# Altium PCB micro-ltc-pvt1f.PcbDoc (part 3 of 4)
Units mm, origin at the board's own origin, x right, y up, seen from the top; angles counter-clockwise.
Board outline 75.2 x 35.65 mm, 4 copper layers (Top, L2, L3, Bottom), stack 0.692 mm thick; 80 components, 47 nets, 716 pads, 100 vias.
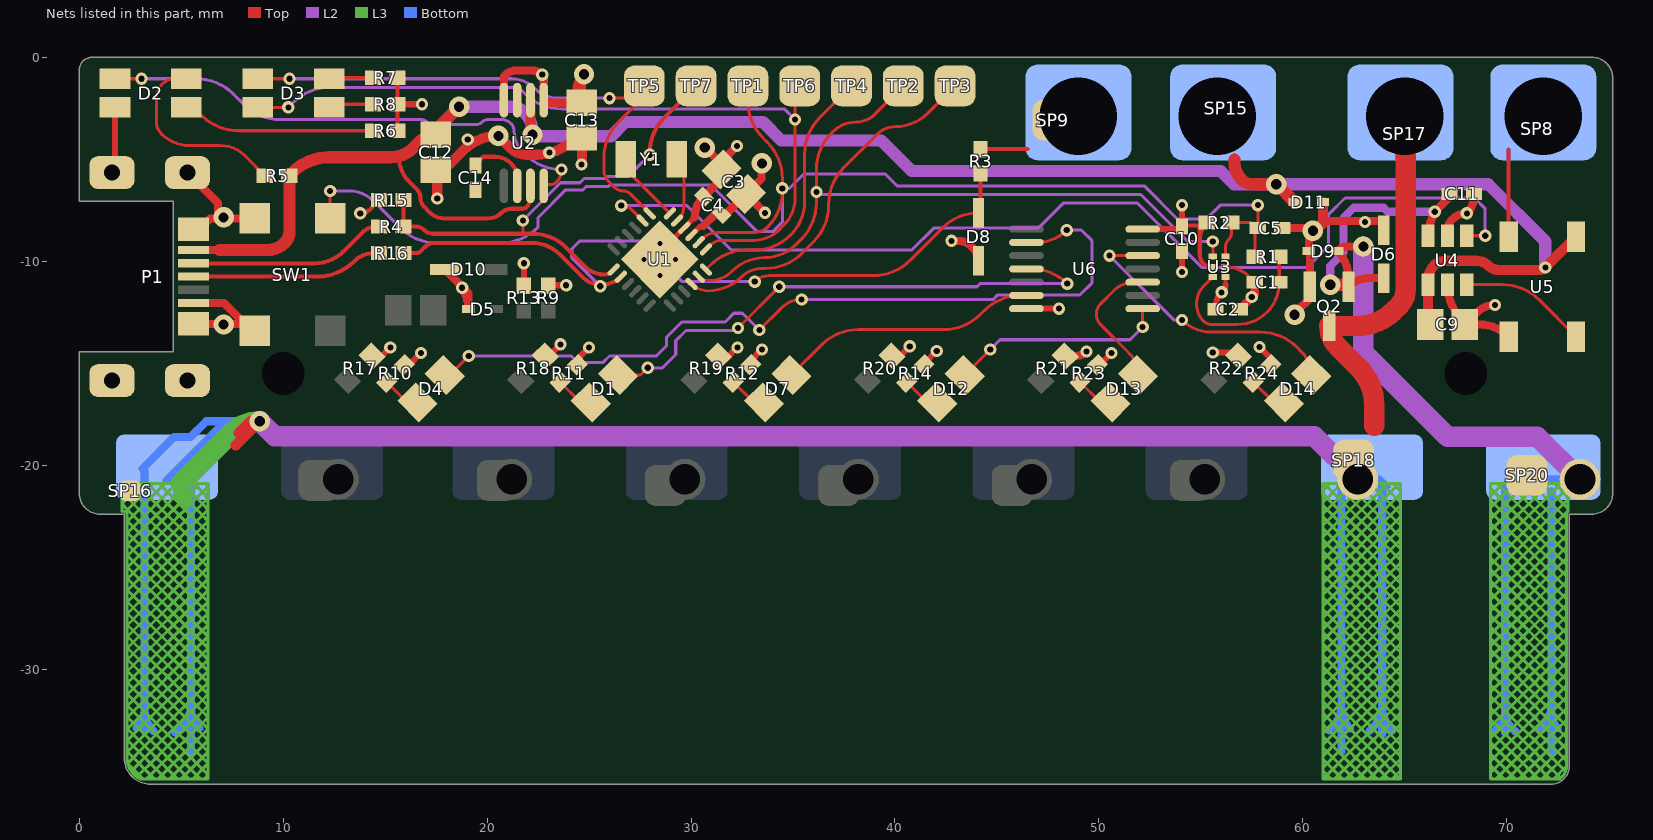
[diagram p5: the nets of this part, all layers, seen from the top]

## Via types
v1: diameter 0.6, hole 0.3, Top to Bottom, tented both sides, 82 vias
v2: diameter 1, hole 0.5, Top to Bottom, tented both sides, 14 vias
v3: diameter 0.5, hole 0.25, Top to Bottom, 4 vias

## Nets (pads, with @x,y where several pads share a name; then routed paths per layer and width w, separated by ;. In a path a pad name is that pad's centre, name@x,y a point inside that pad or via, vN(x,y) a via of type N, cw(c..) or ccw(c..) an arc to the next point about the centre after c; other vN are vias at no path point) (continued)
EXTGND: pad.0@4.3,-20.1 pad.0@62.7,-20.7 pad.0@63.4,-20.1 pad.0@64.8,-2.7 pad.0@65,-2.9 Q2.3 SP16.1 SP17.1 SP18.1 | length 803.3
  Top w0.5: 7.675,-19.025 v2(8.85,-17.85) 8.388,-17.85 7.798,-18.44
  Top w1: 63.5,-18.075 63.5,-17.027 ccw(c60.96,-17.027) 62.756,-15.231 61.742,-14.217 cw(c62.809,-13.15) Q2.3@61.3,-13.15 ccw(c61.36,-13.09) 61.36,-13.175 62.673,-13.175 ccw(c62.673,-10.635) 64.469,-12.431 64.725,-12.175 ccw(c63.939,-11.39) 65.05,-11.39 SP17.1@65.05,-3.8
  L2 w1: v2(8.85,-17.85) 9.575,-18.575 60.575,-18.575 pad.0@62.7,-20.7
  L3 w0.15: 2.1,-22.265 2.1,-20.9 ; 2.1,-21.923 2.359,-22.182 6.036,-25.859 6.3,-26.123 ; 2.1,-21.875 3.075,-20.9 ; 2.1,-21.357 2.359,-21.616 6.036,-25.293 6.3,-25.557 ; 2.1,-21.309 2.509,-20.9 ; 2.2,-20.9 2.209,-20.9 ; 2.261,-22.28 3.641,-20.9 ; 2.335,-34.085 2.925,-33.495 ; 2.335,-34.037 3.698,-35.4 ; 2.335,-33.519 2.642,-33.213 ; 2.335,-33.471 4.264,-35.4 ; 2.335,-32.954 2.359,-32.93 ; 2.335,-32.906 2.359,-32.93 ; 2.335,-32.388 2.359,-32.364 ; 2.335,-32.34 2.359,-32.364 ; 2.335,-31.822 2.359,-31.798 ; 2.335,-31.257 6.3,-27.292 ; 2.335,-31.209 2.359,-31.233 2.642,-31.515 ; 2.335,-30.691 6.3,-26.726 ; 2.335,-30.643 2.359,-30.667 3.207,-31.515 ; 2.335,-30.125 6.3,-26.16 ; 2.335,-30.077 2.359,-30.101 3.773,-31.515 ; 2.335,-29.559 6.3,-25.594 ; 2.335,-29.512 2.359,-29.536 3.49,-30.667 ; 2.335,-28.994 6.3,-25.029 ; 2.335,-28.946 2.359,-28.97 3.773,-30.384 ; 2.335,-28.428 6.3,-24.463 ; 2.335,-28.38 2.359,-28.404 4.056,-30.101 ; 2.335,-27.862 6.3,-23.897 ; 2.335,-27.815 2.359,-27.839 6.036,-31.515 ; 2.335,-27.297 6.3,-23.332 ; 2.335,-27.249 6.3,-31.214 ; 2.335,-26.731 6.3,-22.766 ; 2.335,-26.683 6.3,-30.648 ; 2.335,-26.165 6.3,-22.2 ; 2.335,-26.118 6.3,-30.083 ; 2.335,-25.6 6.3,-21.635 ; 2.335,-25.552 6.3,-29.517 ; 2.335,-25.034 4.339,-23.03 ; 2.335,-24.986 6.3,-28.951 ; 2.335,-24.468 5.002,-21.802 ; 2.335,-24.421 6.3,-28.386 ; 2.335,-23.903 3.773,-22.465 ; 2.335,-23.855 6.3,-27.82 ; 2.335,-23.337 3.49,-22.182 ; 2.335,-23.289 6.3,-27.254 ; 2.335,-22.771 4.206,-20.9 ; 2.335,-22.723 6.3,-26.688 ; 2.367,-34.619 3.207,-33.778 ; 2.371,-34.639 3.132,-35.4 ; 2.541,-35.011 3.49,-34.061 ; 2.821,-35.296 3.773,-34.344 ; 3.283,-35.4 4.056,-34.627 ; 3.848,-35.4 4.339,-34.91 ; 4.414,-35.4 6.3,-33.514 ; 4.829,-35.4 4.339,-34.91 ; 4.98,-35.4 6.3,-34.08 ; 5.146,-21.657 5.187,-21.616 ; 5.146,-21.575 5.016,-21.445 ; 5.395,-35.4 4.622,-34.627 ; 5.545,-35.4 6.3,-34.645 ; 6.111,-35.4 6.3,-35.211 ; 61,-35.382 62.321,-34.061 ; 61,-35.002 61.398,-35.4 ; 61,-34.817 62.039,-33.778 ; 61,-34.437 61.963,-35.4 ; 61,-34.251 61.756,-33.495 ; 61,-33.871 62.529,-35.4 ; 61,-33.685 61.473,-33.213 ; 61,-33.305 63.095,-35.4 ; 61,-33.12 61.19,-32.93 ; 61,-32.74 61.19,-32.93 ; 61,-32.554 61.19,-32.364 ; 61,-32.174 61.19,-32.364 ; 61,-31.988 61.19,-31.798 ; 61,-31.423 64.8,-27.623 ; 61,-31.043 61.473,-31.515 ; 61,-30.857 64.8,-27.057 ; 61,-30.477 61.756,-31.233 ; 61,-30.291 64.8,-26.491 ; 61,-29.911 62.039,-30.95 ; 61,-29.726 64.8,-25.926 ; 61,-29.345 62.321,-30.667 ; 61,-29.16 64.8,-25.36 ; 61,-28.78 62.604,-30.384 ; 61,-28.594 64.8,-24.794 ; 61,-28.214 62.887,-30.101 ; 61,-28.029 64.8,-24.229 ; 61,-27.648 64.8,-31.448 ; 61,-27.463 64.8,-23.663 ; 61,-27.083 64.8,-30.883 ; 61,-26.897 64.8,-23.097 ; 61,-26.517 64.8,-30.317 ; 61,-26.332 64.8,-22.532 ; 61,-25.951 64.8,-29.751 ; 61,-25.766 64.8,-21.966 ; 61,-25.386 64.8,-29.186 ; 61,-25.2 64.8,-21.4 ; 61,-24.82 64.8,-28.62 ; 61,-24.635 64.735,-20.9 ; 61,-24.254 64.8,-28.054 ; 61,-24.069 64.169,-20.9 ; 61,-23.689 64.8,-27.489 ; 61,-23.503 pad.0@63.603,-20.9 ; 61,-23.123 64.8,-26.923 ; 61,-22.937 pad.0@63.037,-20.9 ; 61,-22.557 64.8,-26.357 ; 61,-22.372 pad.0@62.472,-20.9 ; 61,-21.992 64.8,-25.792 ; 61,-21.806 pad.0@61.906,-20.9 ; 61,-21.426 64.8,-25.226 ; 61,-21.24 61.34,-20.9 ; 61.04,-20.9 64.8,-24.66 ; 61.548,-35.4 62.604,-34.344 ; 61.605,-20.9 64.8,-24.095 ; 62.114,-35.4 62.887,-34.627 ; pad.0@62.171,-20.9 64.8,-23.529 ; 62.68,-35.4 64.8,-33.28 ; pad.0@62.737,-20.9 64.8,-22.963 ; 63.245,-35.4 64.8,-33.845 ; pad.0@63.302,-20.9 64.8,-22.398 ; 63.66,-35.4 62.887,-34.627 ; 63.811,-35.4 64.8,-34.411 ; 63.868,-20.9 64.8,-21.832 ; 64.226,-35.4 63.17,-34.344 ; 64.377,-35.4 64.8,-34.977 ; 64.434,-20.9 64.8,-21.266 ; 64.8,-34.843 63.736,-33.778 ; 64.8,-34.277 64.018,-33.495 ; 64.8,-33.711 64.301,-33.213 ; 64.8,-33.145 64.584,-32.93 ; 64.8,-32.714 64.584,-32.93 ; 64.8,-32.58 64.584,-32.364 ; 64.8,-32.148 64.584,-32.364 ; 64.8,-32.014 64.584,-31.798 ; 64.8,-31.582 64.584,-31.798 ; 64.8,-31.017 64.301,-31.515 ; 64.8,-30.451 64.018,-31.233 ; 64.8,-29.885 63.736,-30.95 ; 64.8,-29.32 63.453,-30.667 ; 64.8,-28.754 63.17,-30.384 ; 64.8,-28.188 62.887,-30.101 ; 2.209,-20.9 2.359,-21.05 3.49,-22.182 ; 2.209,-20.9 2.509,-20.9 ; 2.295,-22.305 cw(c2.2,-22.4) 2.335,-22.4 ; 2.295,-22.305 cw(c2.2,-22.4) 2.335,-22.4 ; 2.295,-22.305 ccw(c2.2,-22.4) 2.2,-22.265 cw(c2.2,-22.4) 2.295,-22.305 ; 2.335,-22.4 2.335,-34.35 ccw(c3.5,-34.35) 2.995,-35.4 6.3,-35.4 6.3,-35.211 ; 2.359,-32.93 2.642,-33.213 ; 2.359,-32.93 2.642,-32.647 ; 2.359,-32.364 2.642,-32.647 ; 2.359,-32.364 2.642,-32.081 ; 2.359,-31.798 2.642,-32.081 ; 2.359,-31.798 2.642,-31.515 ; 2.359,-31.798 2.642,-32.081 ; 2.359,-31.798 2.335,-31.774 2.359,-31.798 ; 2.509,-20.9 2.774,-20.9 ; 2.642,-33.213 2.925,-32.93 ; 2.642,-33.213 2.925,-33.495 ; 2.642,-32.647 2.925,-32.93 ; 2.642,-32.647 2.925,-32.364 ; 2.642,-32.081 2.925,-31.798 ; 2.642,-32.081 2.925,-32.364 ; 2.642,-32.081 2.925,-32.364 ; 2.642,-31.515 2.925,-31.798 ; 2.642,-31.515 3.49,-30.667 ; 2.774,-20.9 3.075,-20.9 ; 2.774,-20.9 2.925,-21.05 3.773,-21.899 ; 2.925,-33.495 3.207,-33.213 ; 2.925,-33.495 3.207,-33.778 ; 2.925,-32.93 3.207,-32.647 ; 2.925,-32.93 3.207,-33.213 ; 2.925,-32.364 3.207,-32.647 ; 2.925,-32.364 3.207,-32.081 ; 2.925,-32.364 3.207,-32.647 ; 2.925,-31.798 3.207,-31.515 ; 2.925,-31.798 3.207,-32.081 ; 3.075,-20.9 3.34,-20.9 ; 3.207,-33.778 3.49,-33.495 ; 3.207,-33.778 3.49,-34.061 ; 3.207,-33.213 3.49,-33.495 ; 3.207,-33.213 3.49,-32.93 ; 3.207,-32.647 3.49,-32.364 ; 3.207,-32.647 4.056,-33.495 ; 3.207,-32.647 3.49,-32.93 ; 3.207,-32.081 3.49,-31.798 ; 3.207,-32.081 3.49,-32.364 ; 3.207,-31.515 3.49,-31.798 ; 3.207,-31.515 3.773,-30.95 ; 3.34,-20.9 3.641,-20.9 ; 3.34,-20.9 3.49,-21.05 4.056,-21.616 ; 3.49,-34.061 3.773,-34.344 ; 3.49,-34.061 3.773,-33.778 ; 3.49,-33.495 3.773,-33.213 ; 3.49,-33.495 3.773,-33.778 ; 3.49,-32.93 3.773,-32.647 ; 3.49,-32.93 3.773,-33.213 ; 3.49,-32.364 3.773,-32.647 ; 3.49,-32.364 4.056,-31.798 ; 3.49,-31.798 4.622,-32.93 ; 3.49,-31.798 3.773,-31.515 ; 3.49,-30.667 3.773,-30.95 ; 3.49,-30.667 3.773,-30.384 ; 3.49,-22.182 3.773,-21.899 ; 3.49,-22.182 3.773,-22.465 ; 3.641,-20.9 3.906,-20.9 ; 3.773,-34.344 4.056,-34.627 ; 3.773,-34.344 4.056,-34.061 ; 3.773,-33.778 4.056,-34.061 ; 3.773,-33.778 4.056,-33.495 ; 3.773,-33.213 4.056,-32.93 ; 3.773,-33.213 4.056,-33.495 ; 3.773,-32.647 4.056,-32.93 ; 3.773,-32.647 4.339,-32.081 ; 3.773,-31.515 4.056,-31.798 ; 3.773,-31.515 4.056,-31.233 ; 3.773,-30.95 4.056,-31.233 ; 3.773,-30.95 4.056,-30.667 ; 3.773,-30.384 4.056,-30.667 ; 3.773,-30.384 4.056,-30.101 ; 3.773,-22.465 4.056,-22.182 ; 3.773,-22.465 4.339,-23.03 ; 3.773,-21.899 4.056,-21.616 ; 3.773,-21.899 4.056,-22.182 ; 3.906,-20.9 4.206,-20.9 ; 3.906,-20.9 4.056,-21.05 4.339,-21.333 ; 4.056,-34.627 4.339,-34.91 ; 4.056,-34.627 4.339,-34.344 ; 4.056,-34.061 4.339,-34.344 ; 4.056,-34.061 4.339,-33.778 ; 4.056,-33.495 4.339,-33.213 ; 4.056,-33.495 4.339,-33.778 ; 4.056,-33.495 5.753,-35.192 5.961,-35.4 4.904,-34.344 ; 4.056,-32.93 4.339,-33.213 ; 4.056,-32.93 4.622,-32.364 ; 4.056,-31.798 4.339,-32.081 ; 4.056,-31.798 4.339,-31.515 ; 4.056,-31.233 4.339,-31.515 ; 4.056,-31.233 4.339,-30.95 ; 4.056,-30.667 4.339,-30.95 ; 4.056,-30.667 4.339,-30.384 ; 4.056,-30.101 6.3,-27.857 ; 4.056,-30.101 4.339,-30.384 ; 4.056,-22.182 4.339,-21.899 ; 4.056,-22.182 4.622,-22.747 ; 4.056,-21.616 4.339,-21.333 ; 4.056,-21.616 4.339,-21.899 ; 4.206,-20.9 4.471,-20.9 ; 4.339,-34.91 4.622,-34.627 ; 4.339,-34.344 4.622,-34.627 ; 4.339,-34.344 4.622,-34.061 ; 4.339,-33.778 4.622,-33.495 ; 4.339,-33.778 4.622,-34.061 ; 4.339,-33.213 4.622,-33.495 ; 4.339,-33.213 4.622,-32.93 ; 4.339,-32.081 4.622,-32.364 ; 4.339,-32.081 4.622,-31.798 ; 4.339,-31.515 4.622,-31.798 ; 4.339,-31.515 4.622,-31.233 ; 4.339,-30.95 4.622,-31.233 ; 4.339,-30.95 4.622,-30.667 ; 4.339,-30.384 4.622,-30.667 ; 4.339,-30.384 6.3,-28.423 ; 4.339,-23.03 4.622,-22.747 ; 4.339,-23.03 6.036,-24.727 6.3,-24.991 ; 4.339,-21.899 4.622,-21.616 ; 4.339,-21.899 4.904,-22.465 ; 4.339,-21.333 4.622,-21.05 ; 4.339,-21.333 4.622,-21.616 ; 4.471,-20.9 4.772,-20.9 ; 4.471,-20.9 4.622,-21.05 ; 4.622,-34.627 4.904,-34.344 ; 4.622,-34.061 4.904,-33.778 ; 4.622,-34.061 4.904,-34.344 ; 4.622,-33.495 4.904,-33.778 ; 4.622,-33.495 4.904,-33.213 ; 4.622,-32.93 4.904,-33.213 ; 4.622,-32.93 4.904,-32.647 ; 4.622,-32.364 4.904,-32.647 ; 4.622,-32.364 4.904,-32.081 ; 4.622,-31.798 4.904,-32.081 ; 4.622,-31.798 4.904,-31.515 ; 4.622,-31.233 4.904,-31.515 ; 4.622,-31.233 4.904,-30.95 ; 4.622,-30.667 4.904,-30.95 ; 4.622,-30.667 6.3,-28.989 ; 4.622,-22.747 4.904,-22.465 ; 4.622,-22.747 6.036,-24.162 6.3,-24.426 ; 4.622,-21.616 4.904,-21.333 ; 4.622,-21.616 5.187,-22.182 ; 4.622,-21.05 4.772,-20.9 ; 4.622,-21.05 4.904,-21.333 ; 4.772,-20.9 5.002,-20.9 5.037,-20.9 ; 4.904,-34.344 5.187,-34.061 ; 4.904,-33.778 5.187,-33.495 ; 4.904,-33.778 5.187,-34.061 ; 4.904,-33.213 5.187,-33.495 ; 4.904,-33.213 5.187,-32.93 ; 4.904,-32.647 5.187,-32.93 ; 4.904,-32.647 5.187,-32.364 ; 4.904,-32.081 5.187,-32.364 ; 4.904,-32.081 5.187,-31.798 ; 4.904,-31.515 5.187,-31.798 ; 4.904,-31.515 5.187,-31.233 ; 4.904,-30.95 5.187,-31.233 ; 4.904,-30.95 6.3,-29.554 ; 4.904,-22.465 5.187,-22.182 ; 4.904,-22.465 6.036,-23.596 6.3,-23.86 ; 4.904,-21.333 5.002,-21.236 5.187,-21.05 ; 4.904,-21.333 5.002,-21.43 5.016,-21.445 ; 5.016,-21.445 5.187,-21.616 ; 5.037,-20.9 5.338,-20.9 ; 5.037,-20.9 5.187,-21.05 ; 5.187,-34.061 5.47,-33.778 ; 5.187,-34.061 6.036,-34.91 6.3,-35.174 ; 5.187,-33.495 5.47,-33.213 ; 5.187,-33.495 5.47,-33.778 ; 5.187,-32.93 5.47,-33.213 ; 5.187,-32.93 5.47,-32.647 ; 5.187,-32.364 5.47,-32.647 ; 5.187,-32.364 5.47,-32.081 ; 5.187,-31.798 5.47,-32.081 ; 5.187,-31.798 5.47,-31.515 ; 5.187,-31.233 5.47,-31.515 ; 5.187,-31.233 6.3,-30.12 ; 5.187,-22.182 5.753,-21.616 ; 5.187,-22.182 6.036,-23.03 6.3,-23.294 ; 5.187,-21.616 5.47,-21.333 ; 5.187,-21.616 6.036,-22.465 6.3,-22.729 ; 5.187,-21.05 5.338,-20.9 ; 5.187,-21.05 5.47,-21.333 ; 5.338,-20.9 5.603,-20.9 ; 5.47,-33.778 6.036,-34.344 6.3,-34.608 ; 5.47,-33.778 5.753,-33.495 ; 5.47,-33.213 5.753,-32.93 ; 5.47,-33.213 5.753,-33.495 ; 5.47,-32.647 5.753,-32.93 ; 5.47,-32.647 5.753,-32.364 ; 5.47,-32.081 5.753,-32.364 ; 5.47,-32.081 5.753,-31.798 ; 5.47,-31.515 5.753,-31.798 ; 5.47,-31.515 6.3,-30.686 ; 5.47,-21.333 5.903,-20.9 ; 5.47,-21.333 5.753,-21.616 ; 5.603,-20.9 5.753,-21.05 6.036,-21.333 6.3,-21.597 ; 5.603,-20.9 5.903,-20.9 ; 5.753,-33.495 6.036,-33.213 ; 5.753,-33.495 6.036,-33.778 6.3,-34.042 ; 5.753,-32.93 6.036,-32.647 ; 5.753,-32.93 6.036,-33.213 ; 5.753,-32.364 6.036,-32.647 ; 5.753,-32.364 6.036,-32.081 ; 5.753,-31.798 6.036,-31.515 ; 5.753,-31.798 6.036,-32.081 ; 5.753,-21.616 6.3,-21.069 ; 5.753,-21.616 6.036,-21.899 6.3,-22.163 ; 5.903,-20.9 6.168,-20.9 ; 6.036,-33.213 6.3,-32.948 ; 6.036,-33.213 6.3,-33.477 ; 6.036,-32.647 6.3,-32.383 ; 6.036,-32.647 6.3,-32.911 ; 6.036,-32.081 6.3,-31.817 ; 6.036,-32.081 6.3,-32.345 ; 6.036,-31.515 6.3,-31.251 ; 6.036,-31.515 6.3,-31.78 ; 6.168,-20.9 6.3,-20.9 6.3,-21.032 ; 6.168,-20.9 6.3,-21.032 ; 6.3,-35.211 6.3,-35.174 ; 6.3,-35.174 6.3,-34.645 ; 6.3,-34.645 6.3,-34.608 ; 6.3,-34.608 6.3,-34.08 ; 6.3,-34.08 6.3,-34.042 ; 6.3,-34.042 6.3,-33.514 ; 6.3,-33.514 6.3,-33.477 ; 6.3,-33.477 6.3,-32.948 ; 6.3,-32.948 6.3,-32.911 ; 6.3,-32.911 6.3,-32.383 ; 6.3,-32.383 6.3,-32.345 ; 6.3,-32.345 6.3,-31.817 ; 6.3,-31.817 6.3,-31.78 ; 6.3,-31.78 6.3,-31.251 ; 6.3,-31.251 6.3,-31.214 ; 6.3,-31.214 6.3,-30.686 ; 6.3,-30.686 6.3,-30.648 ; 6.3,-30.648 6.3,-30.12 ; 6.3,-30.12 6.3,-30.083 ; 6.3,-30.083 6.3,-29.554 ; 6.3,-29.554 6.3,-29.517 ; 6.3,-29.517 6.3,-28.989 ; 6.3,-28.989 6.3,-28.951 ; 6.3,-28.951 6.3,-28.423 ; 6.3,-28.423 6.3,-28.386 ; 6.3,-28.386 6.3,-27.857 ; 6.3,-27.857 6.3,-27.82 ; 6.3,-27.82 6.3,-27.292 ; 6.3,-27.292 6.3,-27.254 ; 6.3,-27.254 6.3,-26.726 ; 6.3,-26.726 6.3,-26.688 ; 6.3,-26.688 6.3,-26.16 ; 6.3,-26.16 6.3,-26.123 ; 6.3,-26.123 6.3,-25.594 ; 6.3,-25.594 6.3,-25.557 ; 6.3,-25.557 6.3,-25.029 ; 6.3,-25.029 6.3,-24.991 ; 6.3,-24.991 6.3,-24.463 ; 6.3,-24.463 6.3,-24.426 ; 6.3,-24.426 6.3,-23.897 ; 6.3,-23.897 6.3,-23.86 ; 6.3,-23.86 6.3,-23.332 ; 6.3,-23.332 6.3,-23.294 ; 6.3,-23.294 6.3,-22.766 ; 6.3,-22.766 6.3,-22.729 ; 6.3,-22.729 6.3,-22.2 ; 6.3,-22.2 6.3,-22.163 ; 6.3,-22.163 6.3,-21.635 ; 6.3,-21.635 6.3,-21.597 ; 6.3,-21.597 6.3,-21.069 ; 6.3,-21.069 6.3,-21.032 ; 61.19,-32.93 61.473,-33.213 ; 61.19,-32.93 61.473,-32.647 ; 61.19,-32.364 61.473,-32.647 ; 61.19,-32.364 61.473,-32.081 ; 61.19,-31.798 61.473,-32.081 ; 61.19,-31.798 61,-31.608 61.19,-31.798 ; 61.19,-31.798 61.473,-32.081 ; 61.19,-31.798 61.473,-31.515 ; 61.473,-33.213 61.756,-32.93 ; 61.473,-33.213 61.756,-33.495 ; 61.473,-32.647 61.756,-32.93 ; 61.473,-32.647 61.756,-32.364 ; 61.473,-32.081 61.756,-32.364 ; 61.473,-32.081 61.756,-32.364 ; 61.473,-32.081 61.756,-31.798 ; 61.473,-31.515 61.756,-31.798 ; 61.473,-31.515 61.756,-31.233 ; 61.756,-33.495 62.039,-33.213 ; 61.756,-33.495 62.039,-33.778 ; 61.756,-32.93 62.039,-32.647 ; 61.756,-32.93 62.039,-33.213 ; 61.756,-32.364 62.039,-32.647 ; 61.756,-32.364 62.039,-32.647 ; 61.756,-32.364 62.039,-32.081 ; 61.756,-31.798 62.039,-32.081 ; 61.756,-31.798 62.039,-31.515 ; 61.756,-31.233 62.039,-31.515 ; 61.756,-31.233 62.039,-30.95 ; 62.039,-33.778 62.321,-33.495 ; 62.039,-33.778 62.321,-34.061 ; 62.039,-33.213 62.321,-32.93 ; 62.039,-33.213 62.321,-33.495 ; 62.039,-32.647 62.321,-32.364 ; 62.039,-32.647 62.321,-32.93 ; 62.039,-32.647 62.321,-32.93 ; 62.039,-32.081 62.321,-32.364 ; 62.039,-32.081 62.321,-31.798 ; 62.039,-31.515 62.321,-31.798 ; 62.039,-31.515 62.321,-31.233 ; 62.039,-30.95 62.321,-31.233 ; 62.039,-30.95 62.321,-30.667 ; 62.321,-34.061 62.604,-33.778 ; 62.321,-34.061 62.604,-34.344 ; 62.321,-33.495 62.604,-33.213 ; 62.321,-33.495 62.604,-33.778 ; 62.321,-32.93 62.604,-32.647 ; 62.321,-32.93 62.604,-33.213 ; 62.321,-32.93 62.604,-33.213 ; 62.321,-32.364 62.604,-32.081 ; 62.321,-32.364 62.604,-32.647 ; 62.321,-31.798 62.604,-32.081 ; 62.321,-31.798 62.604,-31.515 ; 62.321,-31.233 62.604,-31.515 ; 62.321,-31.233 62.604,-30.95 ; 62.321,-30.667 62.604,-30.384 ; 62.321,-30.667 62.604,-30.95 ; 62.604,-34.344 62.887,-34.061 ; 62.604,-34.344 62.887,-34.627 ; 62.604,-33.778 62.887,-33.495 ; 62.604,-33.778 62.887,-34.061 ; 62.604,-33.213 62.887,-32.93 ; 62.604,-33.213 62.887,-33.495 ; 62.604,-33.213 62.887,-33.495 ; 62.604,-32.647 62.887,-32.93 ; 62.604,-32.647 62.887,-32.364 ; 62.604,-32.081 62.887,-31.798 ; 62.604,-32.081 62.887,-32.364 ; 62.604,-31.515 62.887,-31.798 ; 62.604,-31.515 62.887,-31.233 ; 62.604,-30.95 62.887,-30.667 ; 62.604,-30.95 62.887,-31.233 ; 62.604,-30.384 62.887,-30.101 ; 62.604,-30.384 62.887,-30.667 ; 62.887,-34.627 63.17,-34.344 ; 62.887,-34.061 63.17,-33.778 ; 62.887,-34.061 63.17,-34.344 ; 62.887,-33.495 63.17,-33.778 ; 62.887,-33.495 63.17,-33.213 ; 62.887,-33.495 63.17,-33.778 ; 62.887,-32.93 63.17,-32.647 ; 62.887,-32.93 63.17,-33.213 ; 62.887,-32.364 63.17,-32.647 ; 62.887,-32.364 63.17,-32.081 ; 62.887,-31.798 63.17,-31.515 ; 62.887,-31.798 63.17,-32.081 ; 62.887,-31.233 63.17,-31.515 ; 62.887,-31.233 63.17,-30.95 ; 62.887,-30.667 63.17,-30.384 ; 62.887,-30.667 63.17,-30.95 ; 62.887,-30.101 63.17,-30.384 ; 63.17,-34.344 63.453,-34.061 ; 63.17,-33.778 63.453,-33.495 ; 63.17,-33.778 63.453,-34.061 ; 63.17,-33.778 63.453,-34.061 ; 63.17,-33.213 63.453,-33.495 ; 63.17,-33.213 63.453,-32.93 ; 63.17,-32.647 63.453,-32.364 ; 63.17,-32.647 63.453,-32.93 ; 63.17,-32.081 63.453,-32.364 ; 63.17,-32.081 63.453,-31.798 ; 63.17,-31.515 63.453,-31.233 ; 63.17,-31.515 63.453,-31.798 ; 63.17,-30.95 63.453,-31.233 ; 63.17,-30.95 63.453,-30.667 ; 63.17,-30.384 63.453,-30.667 ; 63.453,-34.061 63.736,-33.778 ; 63.453,-34.061 64.792,-35.4 63.453,-34.061 ; 63.453,-33.495 63.736,-33.213 ; 63.453,-33.495 63.736,-33.778 ; 63.453,-32.93 63.736,-33.213 ; 63.453,-32.93 63.736,-32.647 ; 63.453,-32.364 63.736,-32.081 ; 63.453,-32.364 63.736,-32.647 ; 63.453,-31.798 63.736,-31.515 ; 63.453,-31.798 63.736,-32.081 ; 63.453,-31.233 63.736,-30.95 ; 63.453,-31.233 63.736,-31.515 ; 63.453,-30.667 63.736,-30.95 ; 63.736,-33.778 64.018,-33.495 ; 63.736,-33.213 64.018,-32.93 ; 63.736,-33.213 64.018,-33.495 ; 63.736,-32.647 64.018,-32.93 ; 63.736,-32.647 64.018,-32.364 ; 63.736,-32.081 64.018,-31.798 ; 63.736,-32.081 64.018,-32.364 ; 63.736,-31.515 64.018,-31.233 ; 63.736,-31.515 64.018,-31.798 ; 63.736,-30.95 64.018,-31.233 ; 64.018,-33.495 64.301,-33.213 ; 64.018,-32.93 64.301,-32.647 ; 64.018,-32.93 64.301,-33.213 ; 64.018,-32.364 64.301,-32.081 ; 64.018,-32.364 64.301,-32.647 ; 64.018,-31.798 64.301,-31.515 ; 64.018,-31.798 64.301,-32.081 ; 64.018,-31.233 64.301,-31.515 ; 64.301,-33.213 64.584,-32.93 ; 64.301,-32.647 64.584,-32.364 ; 64.301,-32.647 64.584,-32.93 ; 64.301,-32.081 64.584,-31.798 ; 64.301,-32.081 64.584,-32.364 ; 64.301,-31.515 64.584,-31.798 ; 61,-35.4 64.8,-35.4 64.8,-20.9 61,-20.9 61,-35.4
  L3 w0.8: 5.002,-21.43 5.002,-21.236 5.002,-20.9 ; 5.146,-21.657 5.146,-21.575
  L3 w1: 5.002,-20.9 cw(c5.066,-20.9) 5.021,-20.854 7.442,-18.433 cw(c8.85,-19.842) v2(8.85,-17.85)
  Bottom w0.4: 2.8,-32.9 ccw(c1.834,-31.934) 3.2,-31.934 ; pad.0@3.1,-20.175 4.65,-18.625 5.45,-18.625 6.225,-17.85 7.175,-17.85 ; 3.2,-33.05 3.2,-31.934 ; 3.2,-32 ccw(c4.649,-32) 3.624,-33.024 ; 3.2,-31.9 3.2,-31.934 ; pad.0@3.2,-20.275 3.2,-31.934 ; pad.0@4.275,-20.75 7.175,-17.85 ; 4.7,-33.1 5.104,-32.696 ccw(c4.208,-31.8) 5.475,-31.8 ; 5.475,-34.075 5.475,-31.874 ; pad.0@5.475,-20.75 5.475,-31.8 ; 5.9,-32.9 cw(c6.926,-31.874) 5.475,-31.874 ; v2(8.85,-17.85) 7.175,-17.85 ; 61.3,-33 61.476,-32.824 ccw(c60.451,-31.8) 61.9,-31.8 ; 61.9,-34.052 pad.0@61.9,-20.9 ; 61.9,-31.9 ccw(c63.349,-31.9) 62.324,-32.924 ; pad.0@62.7,-20.7 63.75,-20.7 pad.0@64.1,-21.05 ; 63.3,-33 63.476,-32.824 ccw(c62.451,-31.8) 63.9,-31.8 ; 63.9,-33.175 63.9,-31.9 ; pad.0@63.9,-21.05 63.9,-31.9 ; 64.4,-33 64.324,-32.924 cw(c65.349,-31.9) 63.9,-31.9 ; 5.475,-31.874 5.475,-31.8
GND: C1.2 C2.2 C3.2 C4.2 C5.2 C9.2 C10.1 C11.2 C12.2 C13.2 C14.1 D2.3 D5.2 D6.2 D9.2 D10.2 D11.2 P1.0 P1.5 Q2.2 R13.2 R17.2 R18.2 R19.2 R20.2 R21.2 R22.2 SW1.1 SW1.2 U1.4 U1.25 U2.3 U3.2 U4.2 U4.5 U5.3 U6.7 | length 70.6
  Top w0.15: U3.2@56.21,-10.275 cw(c56.21,-11.941) 57.388,-10.763 C1.2@57.65,-11.025
  Top w0.25: U1.25@28.468,-9.913 28.468,-9.559 U1.4@29.67,-8.357 30.175,-7.852
  Top w0.3: P1.0@1.75,-5.5 D2.3@1.75,-2.45 ; R17.2@14.675,-14.8 v1(15.251,-14.224) ; R13.2@21.8,-11.2 v1(21.8,-10.1) ; R18.2@23.025,-14.65 v1(23.601,-14.074) ; R19.2@31.7,-14.8 v1(32.276,-14.224) ; R20.2@40.15,-14.75 v1(40.726,-14.174) ; U6.7@46.45,-12.325 v1(48.05,-12.325) ; v1@54.075,-10.425 C10.1@54.075,-9.5 ; v1(55.586,-14.475) R22.2@56.4,-14.475
  Top w0.4: P1.0@5.3,-5.65 6.8,-7.15 v2@6.8,-7.9 ; P1.0@5.6,-13.075 SW1.2@8.125,-13.075 ; P1.5@5.6,-12.05 7.1,-12.05 SW1.2@8.125,-13.075 ; P1.0@5.6,-8.425 5.875,-8.425 6.4,-7.9 v2@6.8,-7.9 ; SW1.2@8.275,-13.075 SW1.2@8.125,-13.075 ; SW1.2@8.45,-13.4 SW1.2@8.125,-13.075 ; SW1.1@8.6,-7.9 v2@6.8,-7.9 ; D10.2@17.925,-10.4 18.509,-10.984 ; 30.175,-7.852 cw(c31.529,-7.852) 30.571,-6.895 C4.2@30.636,-6.831 31.499,-5.968 C3.2@31.499,-5.499 C3.2@31.499,-5.249 ; v2@30.825,-4.575 C3.2@31.499,-5.249 ; v1(32.25,-4.35) 31.499,-5.101 C3.2@31.499,-5.249 ; R21.2@48.351,-14.649 48.849,-14.649 ccw(c48.849,-13.884) v1(49.389,-14.425) ; C2.2@56.925,-12.35 57.65,-11.625 C1.2@57.65,-11.025 ; C5.2@59,-8.375 60.15,-8.375 v2@60.487,-8.712 ; v2@59.725,-12.45 60.35,-11.825 Q2.2@60.35,-11.25 D9.2@60.35,-9.55 ; D9.2@60.3,-9.5 60.3,-8.9 v2@60.487,-8.712 ; v2(60.5,-8.5) 60.9,-8.1 ; v2@60.9,-8.275 60.9,-8.1 ; 61,-8 60.9,-8.1 ; D6.2@64,-8.025 61.175,-8.025 v2@60.487,-8.712 ; U4.2@67.1,-11.15 ccw(c69.514,-11.15) 67.807,-12.857 C9.2@68,-13.05 ; U4.5@67.1,-8.75 67.1,-8.493 cw(c67.868,-8.493) 67.325,-7.95 cw(c68.049,-8.674) v1(68.05,-7.65) ; v1(68.05,-7.65) ccw(c67.205,-6.805) 68.4,-6.805 C11.2@68.4,-6.7 ; v1(69.425,-12.15) ccw(c69.425,-13.417) 68.529,-12.521 C9.2@68,-13.05 ; U5.3@70.1,-13.7 ccw(c68.651,-15.149) 68.651,-13.1 C9.2@68.05,-13.1 ; C9.2@68,-13.05 C9.2@68.05,-13.1 ; C9.2@68,-13.05 C9.2@67.95,-13.1 C9.2@68.05,-13.1 ; 18.51,-10.985 cw(c17.144,-12.35) D5.2@19.075,-12.35 19.075,-11.55 18.51,-10.985
  Top w0.5: C12.2@17.475,-5.5 ccw(c17.475,-4.474) 18.201,-5.199 18.843,-4.557 cw(c20.55,-6.264) v2(20.55,-3.85) 21.157,-4.457 ccw(c21.925,-3.689) 21.925,-4.775 22.423,-4.775 ccw(c22.423,-2.235) 24.219,-4.031 C13.2@24.625,-3.625 ; v1(17.55,-6.925) C12.2@17.55,-5.6 ; v1(24.625,-5.25) ccw(c24.565,-5.19) 24.65,-5.19 C13.2@24.65,-3.925 ; 61,-8 D11.2@61,-7.1
  other v1: 57.5,-11.75 18.775,-11.3 54.075,-10.525 63.05,-8.075 23.05,-4.675 19.05,-4.025
  other v2: 7.075,-13.1 59.6,-12.625 7.075,-7.85 30.675,-4.425
  other v3: 28.468,-10.69 27.69,-9.913 29.246,-9.913 28.468,-9.135
LDO_CC: C14.2 U2.6 | length 3.2
  Top w0.2: C14.2@19.425,-5.25 19.765,-4.91 cw(c19.85,-4.996) 19.85,-4.875 20.39,-4.875 cw(c20.39,-5.985) 21.175,-5.2 cw(c20.451,-5.924) 21.475,-5.924 U2.6@21.475,-6.3
NetC1_1: C1.1 R1.1 U3.6 | length 8.7
  Top w0.15: U3.6@55.59,-10.775 55.125,-11.24 ccw(c55.911,-12.025) 54.8,-12.025 54.8,-12.141 ccw(c55.908,-12.141) 55.125,-12.925 ccw(c55.547,-12.503) 55.547,-13.1 56.801,-13.1 ccw(c56.801,-11.051) 58.25,-12.5 ccw(c56.801,-11.051) 58.85,-11.051 C1.1@58.85,-11.025 R1.1@58.85,-9.775
NetD1_1: D1.1 R11.2 | length 1.9
  Top w0.15: R11.2@23.576,-15.924 24.573,-16.922 D1.1@25.078,-16.922